# Altium PCB cheriot-test.PcbDoc (part 5 of 12)
Units mil, origin at the board's own origin, x right, y up, seen from the top; angles counter-clockwise.
Board outline 6629.92 x 3149.61 mil, 8 copper layers (Top Layer, Int1 (Sign), Int2 (GND), Int3 (Sign), Int4 (Sign), Int5 (PWR), Int6 (Sign), Bottom Layer), stack 60.424 mil thick; 496 components, 639 nets, 2898 pads, 1737 vias.
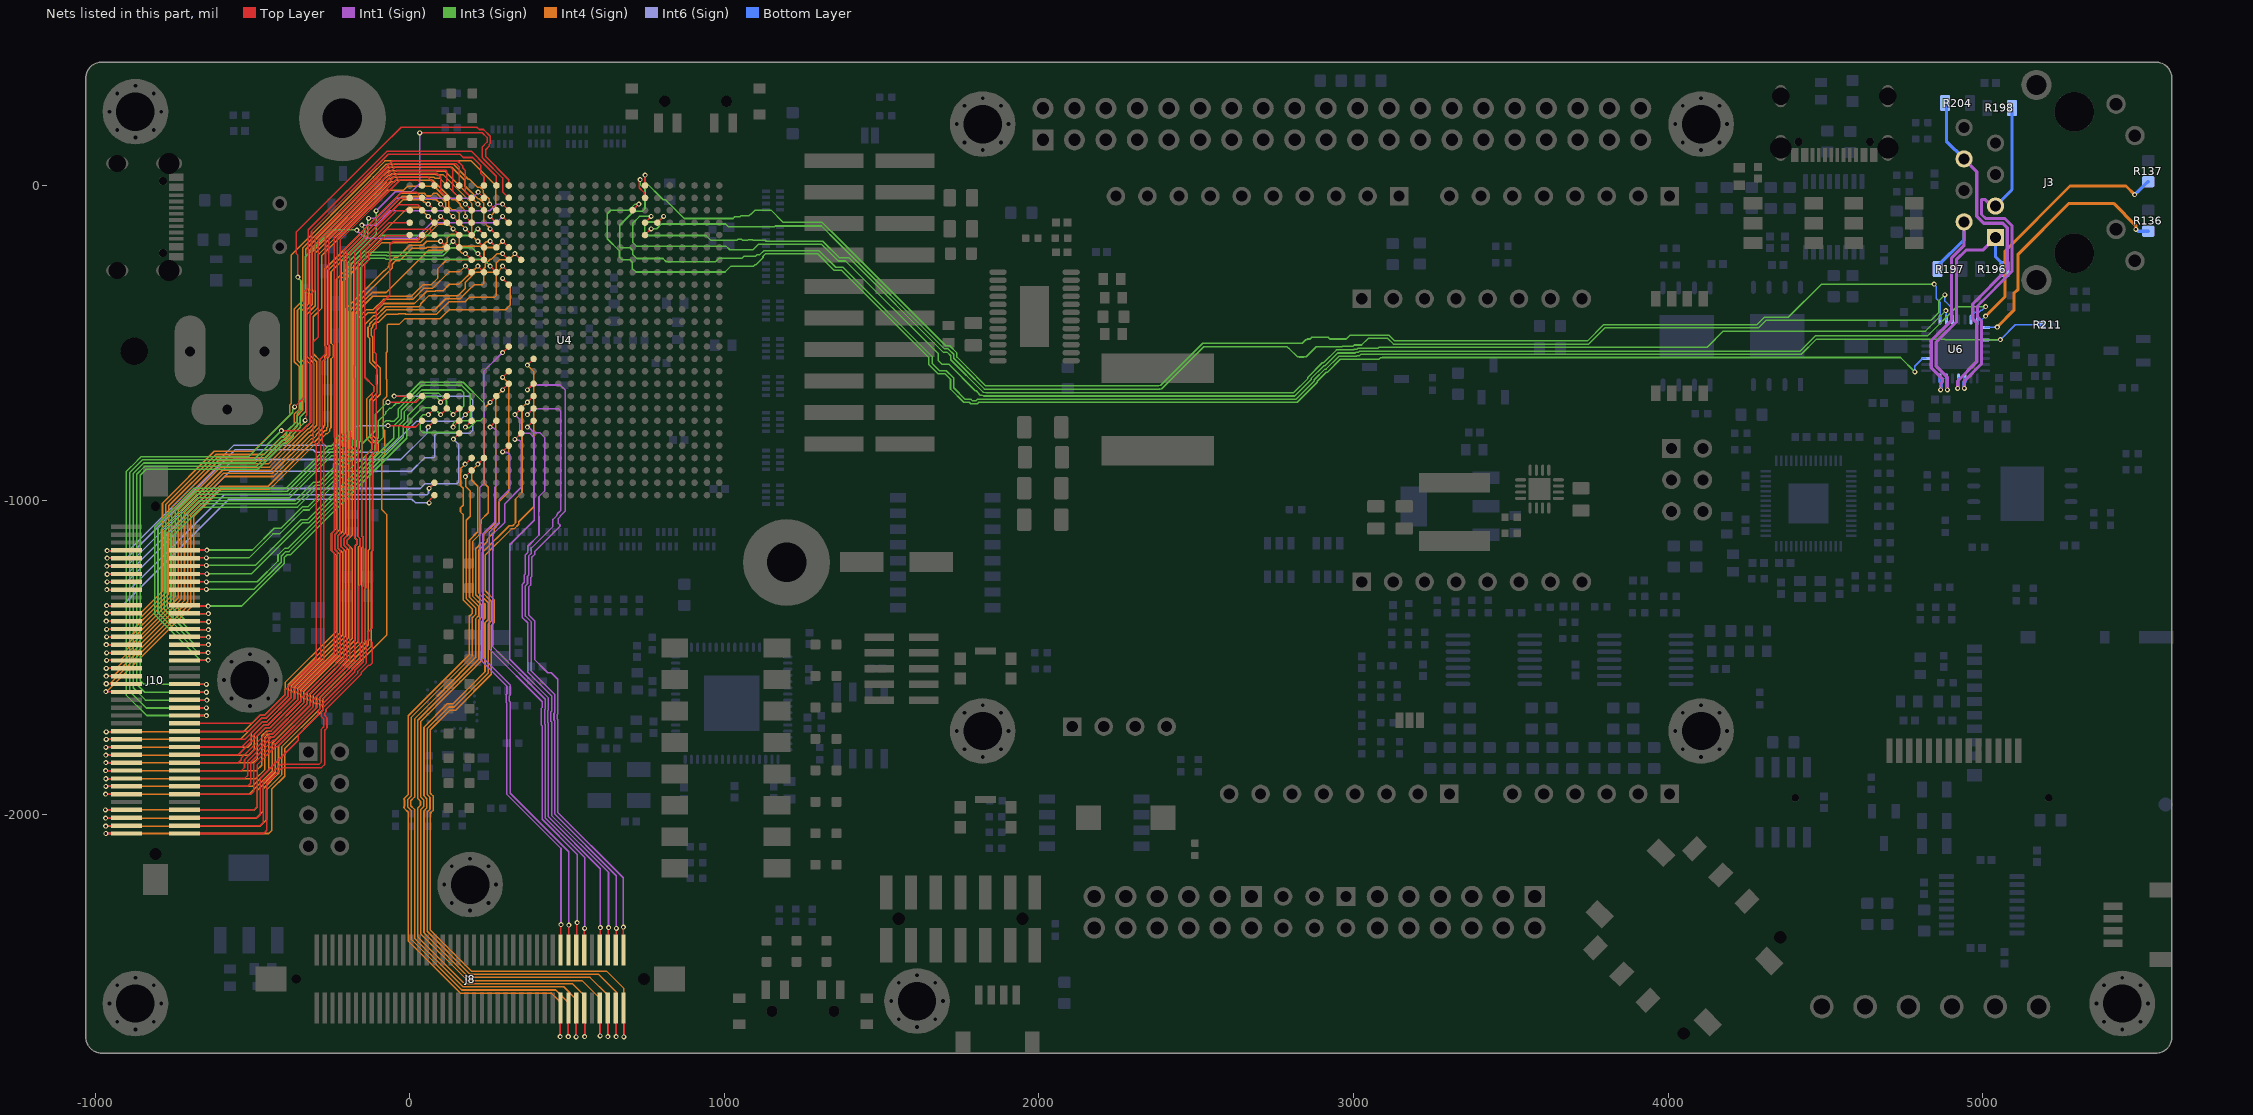
[diagram p11: the nets of this part, all layers, seen from the top]

## Via types
v1: diameter 16, hole 8, Top Layer to Bottom Layer, tented both sides, 1442 vias
v2: diameter 24, hole 12, Top Layer to Bottom Layer, tented both sides, 257 vias
v3: diameter 23.62, hole 11.81, Top Layer to Bottom Layer, tented both sides, 16 vias
v4: diameter 45, hole 20, Top Layer to Bottom Layer, 14 vias
v5: diameter 19.68, hole 8, Top Layer to Bottom Layer, 8 vias

## Nets (pads, with @x,y where several pads share a name; then routed paths per layer and width w, separated by ;. In a path a pad name is that pad's centre, name@x,y a point inside that pad or via, vN(x,y) a via of type N, cw(c..) or ccw(c..) an arc to the next point about the centre after c; other vN are vias at no path point) (continued)
ETHMAC_CIPO: U4.F4 U6.27 | length 4620
  Top Layer w5: U4.F4@787.4,-118.11 v1(807.09,-98.43)
  Int3 (Sign) w5: v1@804,-101 804,-101.51 789.51,-116 754,-116 747,-123 747,-154 752,-159 942,-159 956.5,-173.5 1040.58,-173.5 1042.58,-171.5 1055.42,-171.5 1057.42,-173.5 1074.89,-173.5 1076.58,-171.81 1089.42,-171.81 1091.11,-173.5 1129.84,-173.5 1133.34,-177 1313.31,-177 1366.31,-230 1396.01,-230 1695.5,-529.5 1708.08,-529.5 1719.5,-540.92 1719.5,-553.5 1822.03,-656.03 1823.01,-657 1824.34,-657.34 1830.93,-659 2809,-659 2854.93,-613.07 2854.93,-609.43 2900.87,-563.5 2904.5,-563.5 2945.5,-522.5 3000.56,-522.5 3002.56,-520.5 3010.96,-520.5 3014.46,-517 3077.92,-517 3080.92,-514 4123.83,-514 4175.22,-462.61 4817.88,-462.61 v1(4882.98,-397.51)
  Bottom Layer w5: v1(4882.98,-397.51) 4883.5,-398.02 4883.5,-425.89 U6.27@4884.01,-426.41
ETHMAC_COPI: U4.G4 U6.31 | length 4875.3
  Top Layer w5: U4.G4@748.03,-118.11 v1(767.72,-98.43)
  Int3 (Sign) w5: v1@766.43,-98.43 730.57,-98.43 709,-120 709,-181.07 720.59,-192.67 1005.64,-192.67 1017.48,-204.5 1091.5,-204.5 1109,-187 1309.16,-187 1362.16,-240 1385.4,-240 1680.5,-535.1 1680.5,-557.08 1691.92,-568.5 1713.9,-568.5 1797.9,-652.5 1800.42,-652.5 1809.5,-661.58 1809.5,-664.1 1812.4,-667 1818.03,-667 cw(c1818.03,-672) 1819.64,-667.27 1824.72,-669 2813.14,-669 2864.93,-617.21 2864.93,-613.58 2905.01,-573.5 2908.64,-573.5 2949.64,-532.5 3004.7,-532.5 3006.7,-530.5 3015.1,-530.5 3018.6,-527 3082.06,-527 3082.32,-526.74 4418.9,-526.74 4467.51,-478.12 4824.29,-478.12 4917.26,-385.15 v1(5008.98,-385.15)
  Bottom Layer w5: U6.31@4962.75,-426.41 4962.75,-415.22 4974.96,-403.01 4987.9,-403.01 4994.64,-396.26 4997.87,-396.26 v1(5008.98,-385.15)
ETHMAC_CS: U4.G1 U6.26 | length 4723.1
  Top Layer w5: U4.G1@748.03,0 v1(748.03,33.11)
  Int3 (Sign) w5: v1(748.03,33.11) 748.03,12.93 806.16,-45.2 813.12,-45.2 872.89,-104.97 1027.83,-104.97 1033.3,-99.5 1050.08,-99.5 1053.58,-96 1078.81,-96 1083.31,-91.5 1084.56,-91.5 1097.99,-78.07 1148.07,-78.07 1186.5,-116.5 1310.79,-116.5 1370.29,-176 1703.79,-509.5 1716.36,-509.5 1739.5,-532.64 1739.5,-545.21 1772.79,-578.5 1831.29,-637 2380.14,-637 2380.92,-636.74 2387.46,-634.54 2521,-501 2837.06,-501 2848.06,-490 2851.13,-490 2853.18,-487.95 2862.13,-487.95 2867.58,-482.5 2919.28,-482.5 2924.72,-487.95 2977.13,-487.95 2989.08,-476 3112.92,-476 3130.92,-494 3743.27,-494 3794.65,-442.61 4282.4,-442.61 4306.09,-418.92 4382.09,-418.92 4487.5,-313.51 v1(4845.54,-313.51)
  Bottom Layer w5: v1(4845.54,-313.51) 4845.54,-314.73 4852.76,-321.94 4852.76,-360.3 4864.33,-371.87 U6.26@4864.33,-426.41
ETHMAC_INTR: R211.2 U4.G2 U6.3 | length 5277.8
  Top Layer w5: v1(732.16,18.62) 730.1,16.56 730.1,0.72 730,0.62 730,-7.33 745,-22.33 745,-36.33 U4.G2@748.03,-39.37
  Int3 (Sign) w5: v1(732.16,18.62) 732.95,17.84 732.95,3.12 748,-11.93 748,-74 740,-82 712,-82 668,-126 668,-194.86 671.14,-198 701,-198 709,-206 709,-219.11 721.93,-232.04 805.14,-232.04 815.14,-242.04 869.82,-242.04 869.86,-242 972.14,-242 983.14,-231 1056.14,-231 1061.72,-225.42 1098.86,-225.42 1103.56,-220.72 1112.14,-220.72 1125.86,-207 1300.88,-207 1353.88,-260 1377.12,-260 1660.5,-543.38 1660.5,-565.36 1683.64,-588.5 1705.62,-588.5 1729.08,-611.97 1729.08,-642.65 1765.43,-679 1783.08,-679 1787.58,-683.5 1800.42,-683.5 1804.92,-679 2817.28,-679 2874.93,-621.35 2874.93,-617.72 2909.15,-583.5 2912.78,-583.5 2953.78,-542.5 3008.85,-542.5 3010.85,-540.5 3019.24,-540.5 3022.74,-537 3086.2,-537 3086.47,-536.74 4423.04,-536.74 4471.65,-488.12 4878.86,-488.12 4880.66,-489.92 v1(5055.98,-489.92)
  Bottom Layer w5: U6.3@5007.05,-490.39 5055.51,-490.39 v1(5055.98,-489.92) 5103.31,-442.6 R211.2@5187.4,-442.6
ETHMAC_LED0: R136.1 U6.1 | length 822.6
  Int4 (Sign) w10: v1(5045.98,-449.92) 5098.98,-396.92 5098.98,-343.13 5112.24,-329.87 5112.24,-218.54 5274.02,-56.77 5415.75,-56.77 5486.61,-127.64 v1(5486.61,-139.45)
  Bottom Layer w5: U6.1@5007.05,-451.02 5044.88,-451.02 v1(5045.98,-449.92)
  Bottom Layer w10: v1(5486.61,-139.45) 5488.24,-139.45 5494.14,-145.35 R136.1@5525.98,-145.35
ETHMAC_LED1: R137.1 U6.32 | length 833
  Int4 (Sign) w10: v1(5008.98,-414.92) 5070.48,-353.42 5070.48,-208.42 5277.25,-1.65 5455.12,-1.65 v1(5482.68,-29.21)
  Bottom Layer w5: U6.32@4982.44,-426.41 4994.5,-426.41 4994.76,-426.15 4997.76,-426.15 v1(5008.98,-414.92)
  Bottom Layer w10: v1(5482.68,-29.21) 5524.02,12.13 R137.1@5525.98,12.13
ETHMAC_RST: U4.H3 U6.19 | length 4845.2
  Top Layer w5: U4.H3@708.66,-78.74 v1(728.35,-59.06)
  Int3 (Sign) w5: v1@728,-60 727,-59 716,-59 696,-79 639,-79 628,-90 628,-169 667,-208 667,-228 675,-236 701,-236 707,-242 707,-263 719,-275 1002.29,-275 1021.29,-256 1067,-256 ; 1067,-256.42 1093.03,-256.42 1097.46,-252 1101,-252 1123,-230 1123,-225.09 1131.09,-217 1296.74,-217 1349.74,-270 1372.97,-270 1650.5,-547.53 1650.5,-569.5 1679.5,-598.5 1701.47,-598.5 1719.08,-616.11 1719.08,-646.79 1761.29,-689 1778.94,-689 1783.44,-693.5 1804.56,-693.5 1809.06,-689 2821.43,-689 2884.93,-625.49 2884.93,-621.86 2913.3,-593.5 2916.93,-593.5 2957.93,-552.5 3081,-552.5 3086.5,-547 3090.35,-547 3090.61,-546.74 4738.39,-546.74 v1(4783.86,-592.2)
  Bottom Layer w5: v1(4783.86,-592.2) 4783.86,-574.43 4808.84,-549.45 U6.19@4820.03,-549.45
ETHMAC_RX_N: J3.6 R204.2 U6.12 | length 1133.6
  Int1 (Sign) w10: v1(4920.23,-644.92) 4920.23,-621.54 4980.98,-560.78 4980.98,-436.59 4968.06,-423.66 4968.06,-376.64 5077.91,-266.78 5077.91,-133.93 5063.91,-119.92 5002.7,-119.92 4980.98,-98.21 4980.98,44.13 J3.6@4940.55,84.57
  Bottom Layer w10: R204.2@4880.31,262.13 4884.25,258.19 4884.25,140.87 J3.6@4940.55,84.57 ; v1(4920.23,-644.92) 4921.37,-643.77 4921.37,-631.77 4923.23,-629.92 4923.23,-613.59 U6.12@4923.38,-613.43
ETHMAC_RX_P: J3.3 R198.2 U6.11 | length 1170.8
  Int1 (Sign) w10: v1(4941.23,-644.92) 4941.23,-621.75 4995.98,-566.99 4995.98,-430.38 4983.06,-417.45 4983.06,-382.85 5092.91,-272.99 5092.91,-127.72 5070.12,-104.92 5008.91,-104.92 4995.98,-91.99 4995.98,-44.92 5007.94,-44.92 5028.45,-65.43 J3.3@5040.55,-65.43
  Bottom Layer w10: v1(4941.23,-644.92) 4940.08,-643.77 4940.08,-631.77 4938.23,-629.92 4938.23,-628.89 4943.07,-624.05 U6.11@4943.07,-613.43 ; J3.3@5040.55,-65.43 5092.91,-13.07 R198.2@5092.91,246.38
ETHMAC_SCLK: U4.G5 U6.28 | length 4648.6
  Top Layer w5: U4.G5@748.03,-157.48 v1(767.72,-137.8)
  Int3 (Sign) w5: v1(767.72,-137.8) 785.17,-137.8 800.67,-122.3 1004.46,-122.3 1012.66,-130.5 1160.01,-130.5 1161.66,-128.86 1309,-128.86 1360.29,-180.14 1699.65,-519.5 1712.22,-519.5 1729.5,-536.78 1729.5,-549.35 1768.64,-588.5 1827.15,-647 2383.65,-647 2384.07,-646.98 2384.7,-646.93 2390.14,-646 2524.01,-512.13 2788.45,-512.13 2794.14,-517.83 2794.83,-517.83 2821.5,-544.5 2827.58,-544.5 2828.09,-545.01 2840.93,-545.01 2841.44,-544.5 2849.42,-544.5 2881.42,-512.5 2963.3,-512.5 2964.3,-511.5 2997.42,-511.5 3001.92,-507 3025.58,-507 3046.58,-486 3108.78,-486 3126.78,-504 3747.41,-504 3798.79,-452.61 4286.54,-452.61 4310.23,-428.92 4572.69,-428.92 4573.79,-427.82 4836.25,-427.82 4860.14,-403.93 4860.14,-366.91 v1(4879.54,-347.51)
  Bottom Layer w5: v1(4879.54,-347.51) 4879.54,-367.39 4903.7,-391.55 U6.28@4903.7,-426.41
ETHMAC_TX_N: J3.2 R197.2 U6.15 | length 818.8
  Int1 (Sign) w10: v1(4866.17,-649.92) 4867.32,-648.77 4867.32,-627.73 4870.98,-624.06 4870.98,-614.06 4835.98,-579.06 4835.98,-492.85 4900.98,-427.85 4900.98,-229.92 4940.55,-190.35 J3.2@4940.55,-115.43
  Bottom Layer w10: R197.2@4856.69,-265.43 4856.69,-255.59 4940.55,-171.73 J3.2@4940.55,-115.43 ; U6.15@4864.33,-613.43 4864.33,-624.05 4869.17,-628.89 4869.17,-634.92 4867.32,-636.77 4867.32,-648.77 v1(4866.17,-649.92)
ETHMAC_TX_P: J3.1 R196.2 U6.14 | length 759.3
  Int1 (Sign) w10: v1(4887.17,-649.92) 4887.17,-609.04 4850.98,-572.85 4850.98,-499.06 4915.98,-434.06 4915.98,-236.13 4946.59,-205.53 5000.46,-205.53 J3.1@5040.55,-165.43
  Bottom Layer w10: U6.14@4884.01,-613.43 4884.17,-613.59 4884.17,-634.92 4886.02,-636.77 4886.02,-648.77 v1(4887.17,-649.92) ; J3.1@5040.55,-165.43 5040.55,-226.85 5069.29,-255.59 R196.2@5069.29,-265.43
EX0_0: J10.1 U4.AE5 | length 2503
  Top Layer w5: J10.1@-715.35,-2059.65 -464.65,-2059.65 -454.65,-2049.65 -454.65,-1900 -404.65,-1850 -280,-1850 -270,-1840 -270,-1731.41 -262.73,-1724.13 -262.73,-1691.41 -270,-1684.14 -270,-1676.25 -266.04,-1672.3 -266.04,-1665.04 -154.5,-1553.49 -154.5,-1548.64 -131.36,-1525.5 -126.51,-1525.5 -119.5,-1518.49 -119.5,-1452.56 -131.5,-1440.56 -131.5,-1419.44 -119.5,-1407.44 -119.5,-852.56 -106.5,-839.56 -106.5,-662.22 -103.5,-659.22 -103.5,-634.78 -106.5,-631.78 -106.5,-602.69 -103.89,-600.08 -103.89,-583.92 -106.5,-581.31 -106.5,-535.42 -112.5,-529.42 -112.5,-459.58 -106.5,-453.58 -106.5,-392 -63,-348.5 -63,-188 -52.18,-177.18 ; -52,-177.35 22.65,-177.35 28.26,-171.74 28.26,-167.74 U4.AE5@36,-160
EX0_1: J10.2 U4.V9 | length 2912.7
  Top Layer w5: v1@-965.4,-2059.63 J10.2@-900.39,-2059.65 ; v1(295.28,-295.28) U4.V9@314.96,-314.96
  Int4 (Sign) w5: v1(-965.42,-2059.61) -447.61,-2059.61 -438,-2050 -438,-1918.57 -397,-1877.57 -397,-1789.11 -276.04,-1668.15 -276.04,-1632.19 -73.5,-1429.64 -73.5,-1045.58 -82.58,-1036.5 -82.64,-1036.5 -89,-1030.14 -89,-865.5 -79.5,-856 -79.5,-779.03 -84.4,-774.14 -84.4,-682.56 -73.5,-671.66 -73.5,-615.9 -73.89,-615.51 -73.89,-530.67 -71.5,-528.28 -71.5,-443.43 -68.57,-440.5 -32.58,-440.5 -15.08,-423 97,-423 125,-395 305,-395 320,-380 320,-320 v1(295.28,-295.28)
EX0_2: J10.3 U4.AF5 | length 2461.3
  Top Layer w5: J10.3@-715.35,-2034.65 -474.65,-2034.65 -465,-2025 -465,-1895 -410,-1840 -287.93,-1840 -280.5,-1832.57 -280.5,-1727.77 -272.73,-1719.99 -272.73,-1695.55 -280.5,-1687.78 -280.5,-1672.61 -276.04,-1668.15 -276.04,-1660.9 -164.5,-1549.35 -164.5,-1544.5 -137.5,-1517.5 -137.5,-1448.7 -141.5,-1444.7 -141.5,-1281.43 -137.5,-1277.43 -137.5,-856.42 -119.5,-838.42 -119.5,-661.08 -113.5,-655.08 -113.5,-638.92 -142.89,-609.53 -142.89,-250.31 -129.5,-236.92 -129.5,-214.5 -75,-160 -3,-160 U4.AF5@-1,-158
EX0_3: J10.4 U4.V8 | length 2898.6
  Top Layer w5: v1(-966,-2036) -965.32,-2035.32 -901.07,-2035.32 J10.4@-900.39,-2034.65 ; v1(295.28,-255.91) U4.V8@314.96,-275.59
  Int4 (Sign) w5: v1(-966,-2036) -475,-2036 -455,-2016 -455,-1921.43 -407,-1873.43 -407,-1784.97 -286.04,-1664.01 -286.04,-1628.04 -121.5,-1463.5 -121.5,-1164.13 -117.5,-1160.13 -117.5,-865.72 -99.5,-847.72 -99.5,-812.3 -117,-794.8 -117,-686.86 -93.5,-663.36 -93.5,-630.64 -93.89,-630.25 -93.89,-579.78 -117,-556.67 -117,-482.06 -122.5,-476.56 -122.5,-455.44 -117,-449.94 -117,-443.86 -107.64,-434.5 -99.01,-434.5 -73.51,-409 -37.06,-409 -35.56,-407.5 -14.44,-407.5 -12.94,-409 85.36,-409 124.22,-370.15 174.85,-370.15 190,-355 270,-355 275,-350 275,-280.48 285.59,-269.89 285.59,-268.14 295.28,-258.46 v1(295.28,-255.91)
EX0_4: J10.5 U4.AD5 | length 2442.9
  Top Layer w5: J10.5@-715.35,-2009.65 -484.65,-2009.65 -475,-2000 -475,-1883.84 -354.48,-1763.33 -354.48,-1746.59 -290.5,-1682.61 -290.5,-1668.47 -286.04,-1664.01 -286.04,-1656.75 -174.5,-1545.21 -174.5,-1540.35 -147.5,-1513.35 -147.5,-1452.85 -151.5,-1448.85 -151.5,-1277.29 -147.5,-1273.29 -147.5,-1118.3 -152.89,-1112.91 -152.89,-246.17 -139.5,-232.78 -139.5,-206.05 -73,-139.55 64.55,-139.55 67.93,-142.93 67.93,-145.93 U4.AD5@81,-159
EX0_5: J10.6 U4.U7 | length 2912
  Top Layer w5: v1@-966.4,-2010.63 J10.6@-901.41,-2010.63 ; v1(334.65,-216.54) U4.U7@354.33,-236.22
  Int4 (Sign) w5: v1(-966.42,-2010.61) -487.61,-2010.61 -465,-1988 -465,-1917.28 -417,-1869.28 -417,-1780.83 -296.04,-1659.87 -296.04,-1623.9 -131.5,-1459.36 -131.5,-1159.99 -127.5,-1155.99 -127.5,-861.58 -109.5,-843.58 -109.5,-816.44 -127,-798.94 -127,-682.72 -103.5,-659.22 -103.5,-634.78 -103.89,-634.39 -103.89,-583.92 -127,-560.81 -127,-486.2 -132.5,-480.7 -132.5,-451.3 -127,-445.8 -127,-439.72 -111.78,-424.5 -103.15,-424.5 -73.65,-395 80,-395 115,-360 125.86,-360 126,-360.15 159.85,-360.15 205,-315 232.07,-315 235,-312.07 235,-285 244.41,-275.59 265.75,-275.59 275.59,-265.75 275.59,-246.06 285.43,-236.22 314.96,-236.22 v1(334.65,-216.54)
EX0_6: J10.7 U4.AF4 | length 2340.4
  Top Layer w5: J10.7@-715.35,-1984.65 -494.65,-1984.65 -485,-1975 -485,-1841.57 -427.39,-1783.96 -420.13,-1783.96 -296.04,-1659.87 -296.04,-1652.61 -184.5,-1541.07 -184.5,-1536.21 -157.5,-1509.21 -157.5,-1456.99 -161.5,-1452.99 -161.5,-1273.14 -157.5,-1269.14 -157.5,-1122.44 -162.89,-1117.05 -162.89,-242.03 -155,-234.14 -155,-207.4 -65.71,-118.11 -4.89,-118.11 U4.AF4@-3,-120
EX0_7: J10.8 U4.V7 | length 2844.7
  Top Layer w5: v1@-967.4,-1984.63 J10.8@-902.41,-1984.63 ; v1(295.28,-216.54) U4.V7@314.96,-236.22
  Int4 (Sign) w5: v1(-967.42,-1984.61) -493.61,-1984.61 -484,-1975 -484,-1922.14 -427,-1865.14 -427,-1776.68 -306.04,-1655.73 -306.04,-1619.76 -141.5,-1455.22 -141.5,-1155.85 -137.5,-1151.85 -137.5,-856.42 -119.5,-838.42 -119.5,-820.58 -137,-803.08 -137,-678.58 -113.5,-655.08 -113.5,-638.92 -142.89,-609.53 -142.89,-441.46 -115.93,-414.5 -107.3,-414.5 -77.8,-385 30,-385 35,-380 35,-376.15 61.15,-350 130,-350 130.15,-350.15 153.85,-350.15 177.17,-326.83 177.17,-307.83 209,-276 224,-276 240.41,-259.59 240.41,-249.49 255.83,-234.06 260.3,-234.06 277.83,-216.54 v1(295.28,-216.54)
EX0_8: J10.11 U4.AF3 | length 2308.1
  Top Layer w5: J10.11@-715.35,-1934.65 -504.65,-1934.65 -495,-1925 -495,-1837.43 -431.53,-1773.96 -424.27,-1773.96 -306.04,-1655.73 -306.04,-1648.47 -194.5,-1536.93 -194.5,-1532.07 -175,-1512.57 -175,-1146.92 -167.5,-1139.42 -167.5,-1126.58 -175,-1119.08 -175,-613 -175.5,-612.5 -175.5,-571.5 -175,-571 -175,-213.26 -41.74,-80 -3,-80 U4.AF3@-2,-79
EX0_9: J10.12 U4.Y8 | length 2650.6
  Top Layer w5: v1@-966.4,-1934.63 J10.12@-901.41,-1934.63 ; v1(216.54,-255.91) U4.Y8@236.22,-275.59
  Int4 (Sign) w5: v1(-966.42,-1934.61) -510.61,-1934.61 -437,-1861 -437,-1772.54 -316.04,-1651.58 -316.04,-1615.62 -152.89,-1452.46 -152.89,-1153.09 -147.5,-1147.7 -147.5,-1118.3 -152.89,-1112.91 -152.89,-424.6 -132.78,-404.5 -111.44,-404.5 -81.94,-375 15,-375 54,-336 81.14,-336 82.14,-335 105,-335 126,-314 156.86,-314 204.86,-266 206.44,-266 v1(216.54,-255.91)
EX0_10: J10.13 U4.AE3 | length 2348.4
  Top Layer w5: J10.13@-715.35,-1909.65 -514.65,-1909.65 -505,-1900 -505,-1833.28 -435.67,-1763.96 -428.42,-1763.96 -316.04,-1651.58 -316.04,-1644.33 -204.5,-1532.78 -204.5,-1527.93 -190,-1513.43 -190,-1147.92 -198.5,-1139.42 -198.5,-1126.58 -190,-1118.08 -190,-839.29 -188.5,-837.79 -188.5,-780.21 -190,-778.71 -190,-214.12 -36.69,-60.81 25.81,-60.81 28.87,-63.87 28.87,-63.95 U4.AE3@44,-79.08
EX0_11: J10.14 U4.AA8 | length 2607.2
  Top Layer w5: v1@-965.4,-1909.63 J10.14@-900.39,-1909.65 ; v1(177.17,-255.91) U4.AA8@196.85,-275.59
  Int4 (Sign) w5: v1(-965.42,-1909.61) -499.75,-1909.61 -448.07,-1857.93 -448.07,-1756.89 -445.14,-1753.96 -432.56,-1753.96 -326.04,-1647.44 -326.04,-1611.47 -162.89,-1448.32 -162.89,-1148.95 -157.5,-1143.56 -157.5,-1122.44 -162.89,-1117.05 -162.89,-420.46 -136.93,-394.5 -115.58,-394.5 -83.08,-362 10,-362 46,-326 73.39,-326 124.69,-274.7 158.37,-274.7 v1(177.17,-255.91)
EX0_12: J10.15 U4.AF2 | length 2286.8
  Top Layer w5: J10.15@-715.35,-1884.65 -524.65,-1884.65 -515,-1875 -515,-1829.14 -439.81,-1753.96 -432.56,-1753.96 -326.04,-1647.44 -326.04,-1640.19 -214.5,-1528.64 -214.5,-1523.79 -200,-1509.29 -200,-1152.06 -208.5,-1143.56 -208.5,-1122.44 -200,-1113.94 -200,-835.15 -198.5,-833.65 -198.5,-784.35 -200,-782.85 -200,-209.98 -30.02,-40 U4.AF2@4,-40
EX0_13: J10.16 U4.V6 | length 2782.7
  Top Layer w5: v1@-965.4,-1885.63 J10.16@-900.41,-1885.63 ; v1(295.28,-177.17) U4.V6@314.96,-196.85
  Int4 (Sign) w5: v1(-965.42,-1885.61) -489.89,-1885.61 -460.14,-1855.86 -460.14,-1753.26 -450.84,-1743.96 -436.7,-1743.96 -336.04,-1643.3 -336.04,-1607.33 -172.89,-1444.18 -172.89,-1144.81 -167.5,-1139.42 -167.5,-1126.58 -172.89,-1121.19 -172.89,-407.87 -117.02,-352 5.86,-352 41.86,-316 67.86,-316 88.58,-295.28 88.58,-265.75 118.11,-236.22 226.38,-236.22 236.22,-226.38 236.22,-206.69 245.91,-197 275,-197 294.83,-177.17 v1(295.28,-177.17)
EX0_14: J10.17 U4.AE2 | length 2314.7
  Top Layer w5: J10.17@-715.35,-1859.65 -534.65,-1859.65 -525,-1850 -525,-1825 -443.96,-1743.96 -436.7,-1743.96 -336.04,-1643.3 -336.04,-1636.04 -224.5,-1524.5 -224.5,-1519.64 -210,-1505.14 -210,-1156.2 -218.5,-1147.7 -218.5,-1118.3 -210,-1109.8 -210,-831 -208.5,-829.5 -208.5,-788.5 -210,-787 -210,-205.84 -25.6,-21.44 21.44,-21.44 U4.AE2@39.37,-39.37
EX0_15: J10.18 U4.AA7 | length 2628.6
  Top Layer w5: v1@-966.4,-1859.63 J10.18@-901.41,-1859.63 ; v1(177.17,-216.54) U4.AA7@196.85,-236.22
  Int4 (Sign) w5: v1(-966.42,-1859.61) -486.75,-1859.61 -470.14,-1843 -470.14,-1749.11 -454.98,-1733.96 -440.84,-1733.96 -346.04,-1639.16 -346.04,-1603.19 -182.89,-1440.04 -182.89,-1155.03 -198.5,-1139.42 -198.5,-1126.58 -182.89,-1110.97 -182.89,-403.72 -119.16,-340 -74.25,-340 59.06,-206.69 118.11,-206.69 127.03,-197.77 149.23,-197.77 166.62,-215.16 175.79,-215.16 v1(177.17,-216.54)
EX0_16: J10.19 U4.AE1 | length 2330
  Top Layer w5: J10.19@-715.35,-1834.65 -544.65,-1834.65 -535,-1825 -535,-1820 -448.96,-1733.96 -440.84,-1733.96 -346.04,-1639.16 -346.04,-1631.04 -234.5,-1519.5 -234.5,-1515.5 -220,-1501 -220,-1160.35 -228.5,-1151.85 -228.5,-1114.15 -220,-1105.65 -220,-826.86 -218.5,-825.36 -218.5,-792.64 -220,-791.14 -220,-171.99 -30.07,17.93 26.57,17.93 29.5,15 29.5,14.16 41,2.66 U4.AE1@41,0
EX0_17: J10.20 U4.W6 | length 2743.1
  Top Layer w5: v1@-965.4,-1834.63 J10.20@-900.39,-1834.65 ; v1(255.91,-177.17) U4.W6@275.59,-196.85
  Int4 (Sign) w5: v1(-965.42,-1834.61) -497.61,-1834.61 -484,-1821 -484,-1748.83 -459.13,-1723.96 -444.98,-1723.96 -356.04,-1635.02 -356.04,-1599.05 -192.89,-1435.89 -192.89,-1159.17 -208.5,-1143.56 -208.5,-1122.44 -192.89,-1106.83 -192.89,-399.58 -55.5,-262.19 -55.5,-249.92 -44.08,-238.5 -31.81,-238.5 6.69,-200 51.61,-200 54.91,-196.69 103.55,-196.69 119.63,-180.62 119.63,-166.53 131.16,-155 143.98,-155 157.48,-168.5 157.48,-189.74 160.41,-192.67 229.49,-192.67 243.15,-179.01 254.07,-179.01 v1(255.91,-177.17)
EX0_18: J10.21 U4.AD1 | length 2364.5
  Top Layer w5: J10.21@-715.35,-1809.65 -544.65,-1809.65 -458.96,-1723.96 -444.98,-1723.96 -356.04,-1635.02 -356.04,-1621.04 -230,-1495 -230,-1164.49 -238.5,-1155.99 -238.5,-1110.01 -230,-1101.51 -230,-822.72 -228.5,-821.22 -228.5,-796.78 -230,-795.28 -230,-167.85 -34.21,27.93 57.07,27.93 69.19,15.81 69.19,13.84 79,4.03 U4.AD1@79,0
EX0_19: J10.22 U4.AC6 | length 2510.7
  Top Layer w5: v1@-965.4,-1810.63 J10.22@-900.41,-1810.63 ; v1(98.43,-177.17) U4.AC6@118.11,-196.85
  Int4 (Sign) w5: v1(-965.42,-1810.61) -511.61,-1810.61 -494,-1793 -494,-1744.69 -463.27,-1713.96 -449.13,-1713.96 -366.04,-1630.87 -366.04,-1594.91 -202.89,-1431.75 -202.89,-1163.32 -218.5,-1147.7 -218.5,-1118.3 -202.89,-1102.68 -202.89,-392.89 -80.5,-270.5 -78.92,-270.5 -67.5,-259.08 -67.5,-257.5 -65.5,-255.5 -65.5,-245.78 -48.22,-228.5 -38.5,-228.5 0,-190 41.31,-190 54.14,-177.17 v1(98.43,-177.17)
EX0_20: J10.23 U4.AC2 | length 2442.1
  Top Layer w5: J10.23@-715.35,-1784.65 -533.79,-1784.65 -463.1,-1713.96 -449.13,-1713.96 -366.04,-1630.87 -366.04,-1616.9 -240,-1490.86 -240,-1168.63 -248.5,-1160.13 -248.5,-1105.87 -240,-1097.37 -240,-818.58 -238.5,-817.08 -238.5,-800.92 -240,-799.42 -240,-163.71 -37.23,39.06 85.94,39.06 98.43,26.57 98.43,-19.69 117.74,-39 U4.AC2@118,-39
EX0_21: J10.24 U4.AB5 | length 2603.1
  Top Layer w5: v1@-965.4,-1785.63 J10.24@-900.41,-1785.63 ; v1(137.8,-137.8) U4.AB5@157.48,-157.48
  Int4 (Sign) w5: v1(-965.42,-1785.61) -513.61,-1785.61 -504,-1776 -504,-1740.55 -467.41,-1703.96 -453.27,-1703.96 -376.04,-1626.73 -376.04,-1590.76 -212.89,-1427.61 -212.89,-1167.46 -228.5,-1151.85 -228.5,-1114.15 -212.89,-1098.54 -212.89,-306.17 -88.07,-181.35 -6.35,-181.35 -5,-180 34.14,-180 91.85,-122.3 122.3,-122.3 v1(137.8,-137.8)
EX0_22: J10.25 U4.AC1 | length 2419.8
  Top Layer w5: J10.25@-715.35,-1759.65 -522.93,-1759.65 -467.24,-1703.96 -453.27,-1703.96 -376.04,-1626.73 -376.04,-1612.76 -272.5,-1509.22 -272.5,-822.08 -277.5,-817.08 -277.5,-559.22 -257.5,-539.22 -257.5,-167.07 -41.38,49.06 115.18,49.06 118.11,46.13 118.11,23 118,22.89 U4.AC1@118,0
EX0_23: J10.26 U4.AC4 | length 2535.6
  Top Layer w5: v1@-964.4,-1760.63 J10.26@-899.41,-1760.63 ; v1(98.43,-98.43) U4.AC4@118.11,-118.11
  Int4 (Sign) w5: v1(-964.42,-1760.61) -538.2,-1760.61 -471.55,-1693.96 -457.41,-1693.96 -386.04,-1622.59 -386.04,-1586.62 -222.89,-1423.47 -222.89,-1171.6 -238.5,-1155.99 -238.5,-1110.01 -222.89,-1094.4 -222.89,-302.03 -90.86,-170 30,-170 89.04,-110.96 ; 90,-110 90,-109.83 98.43,-101.4 v1(98.43,-98.43)
EX0_24: J10.27 U4.AB2 | length 2485.4
  Top Layer w5: J10.27@-715.35,-1734.65 -512.24,-1734.65 -471.55,-1693.96 -457.41,-1693.96 -386.04,-1622.59 -386.04,-1608.45 -335.95,-1558.36 -335.78,-1558.36 -282.5,-1505.07 -282.5,-826.22 -287.5,-821.22 -287.5,-555.08 -267.5,-535.08 -267.5,-162.93 -45.52,59.06 127.95,59.06 136.38,50.63 136.38,-18.27 155,-36.89 U4.AB2@155,-39